# Altium PCB Main PCB.PcbDoc (part 1 of 3)
Units mil, origin at the board's own origin, x right, y up, seen from the top; angles counter-clockwise.
Board outline 3410.47 x 1250.53 mil, 4 copper layers (Top Layer, Ground, Power, Bottom Layer), stack 29.8 mil thick; 179 components, 158 nets, 771 pads, 445 vias.
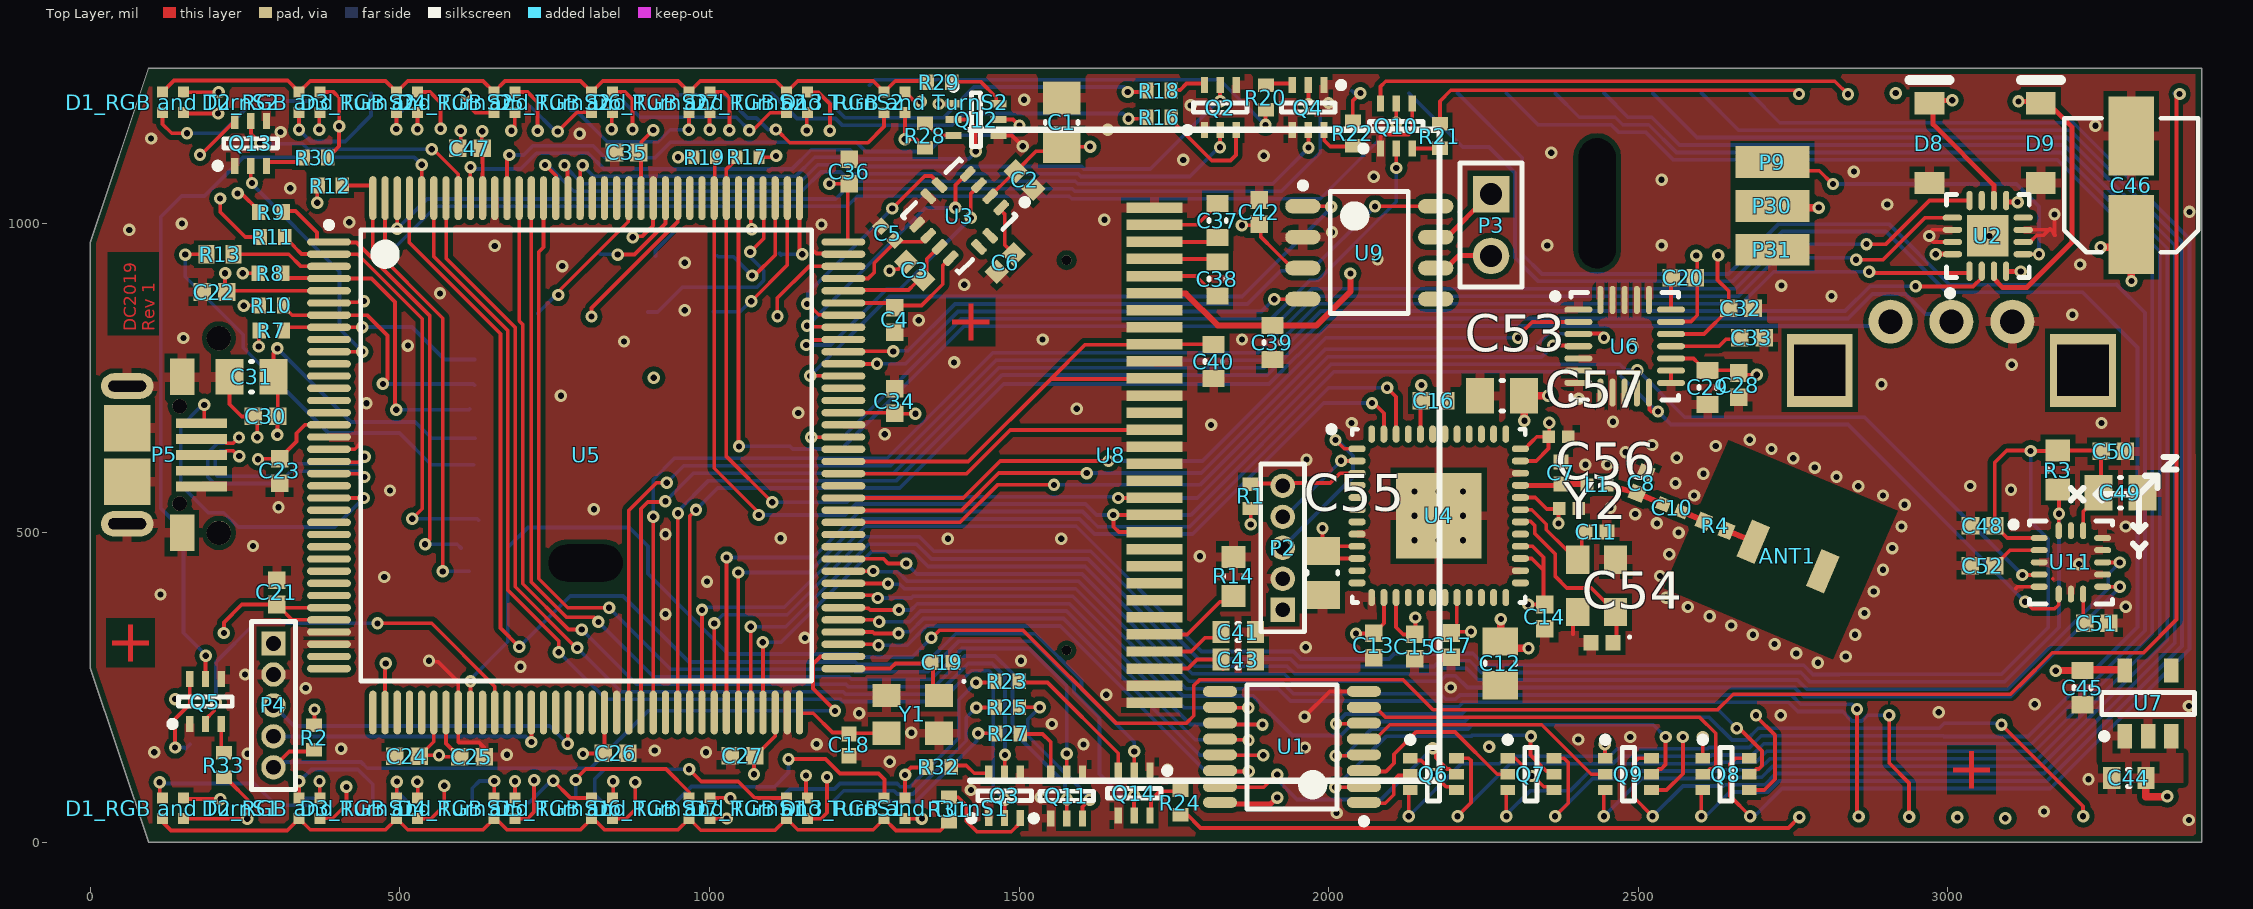
[diagram p0: Top Layer view]
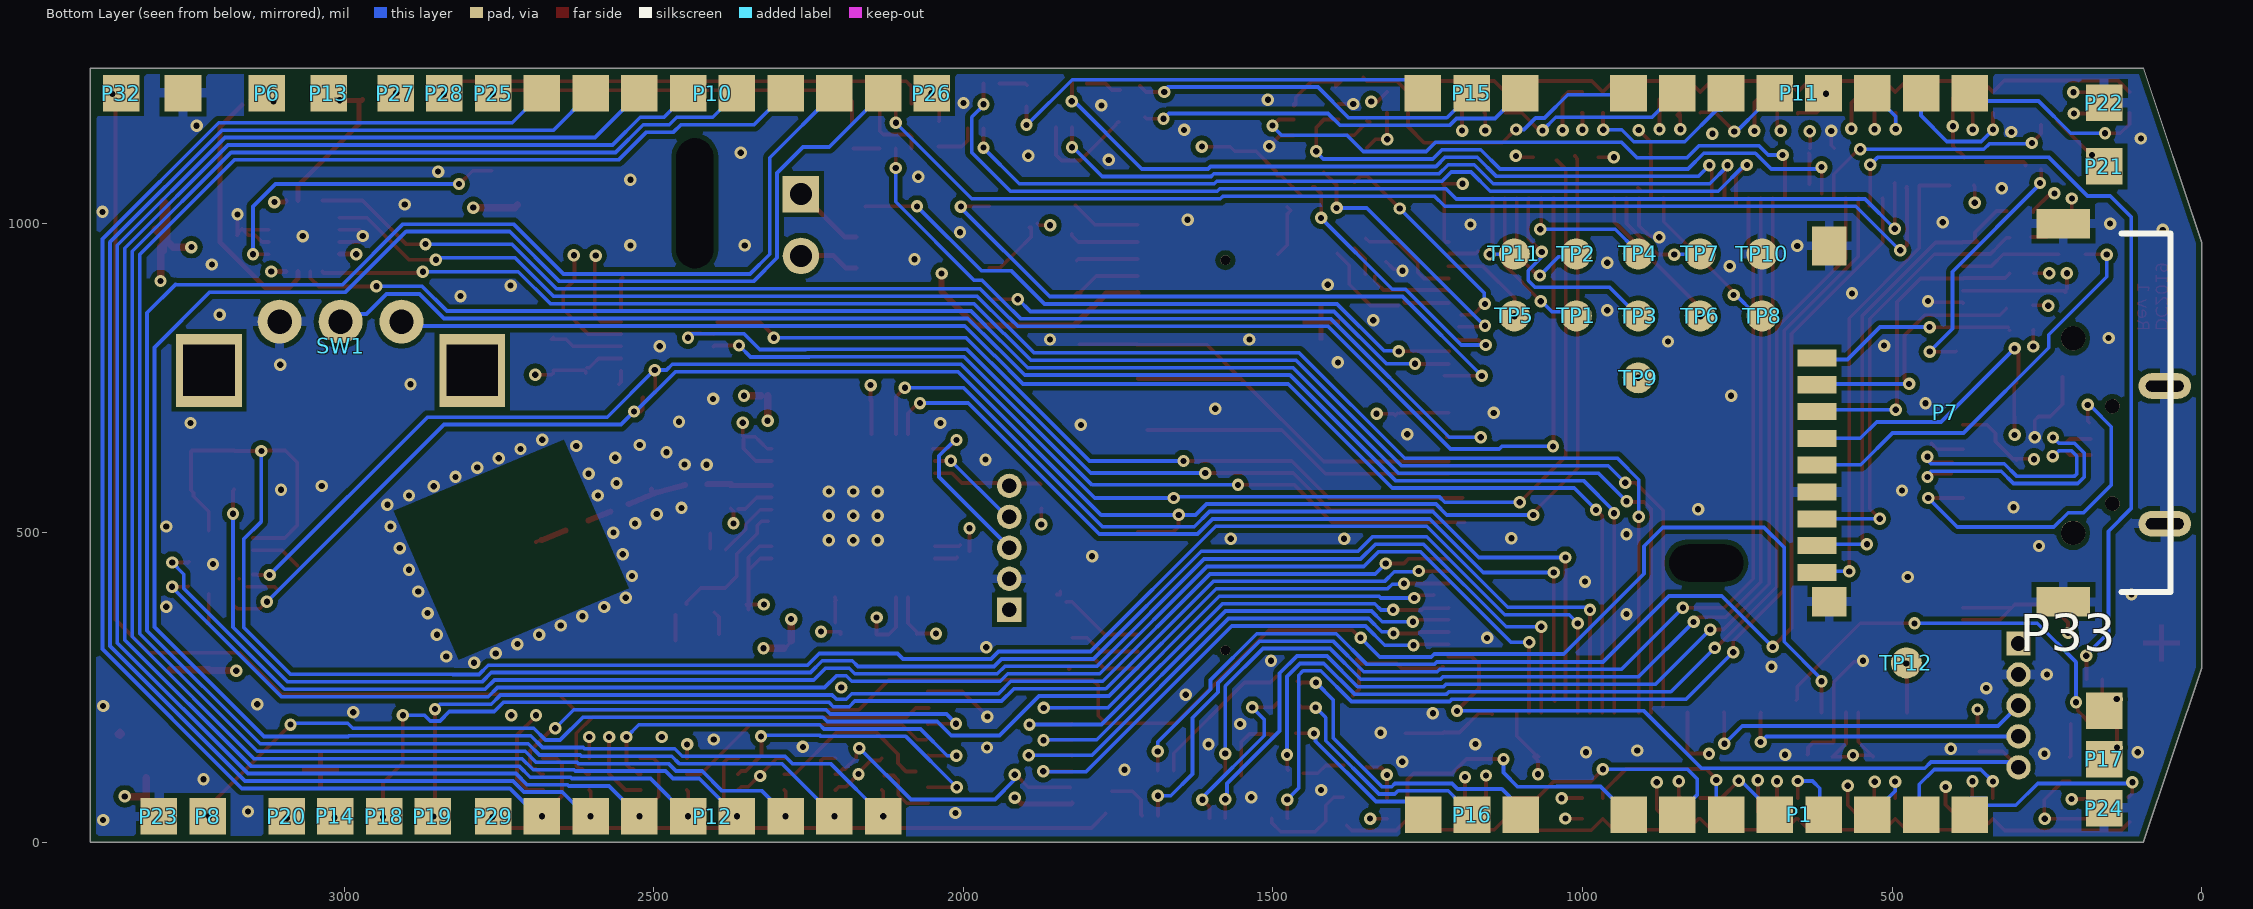
[diagram p1: Bottom Layer view, seen from below]
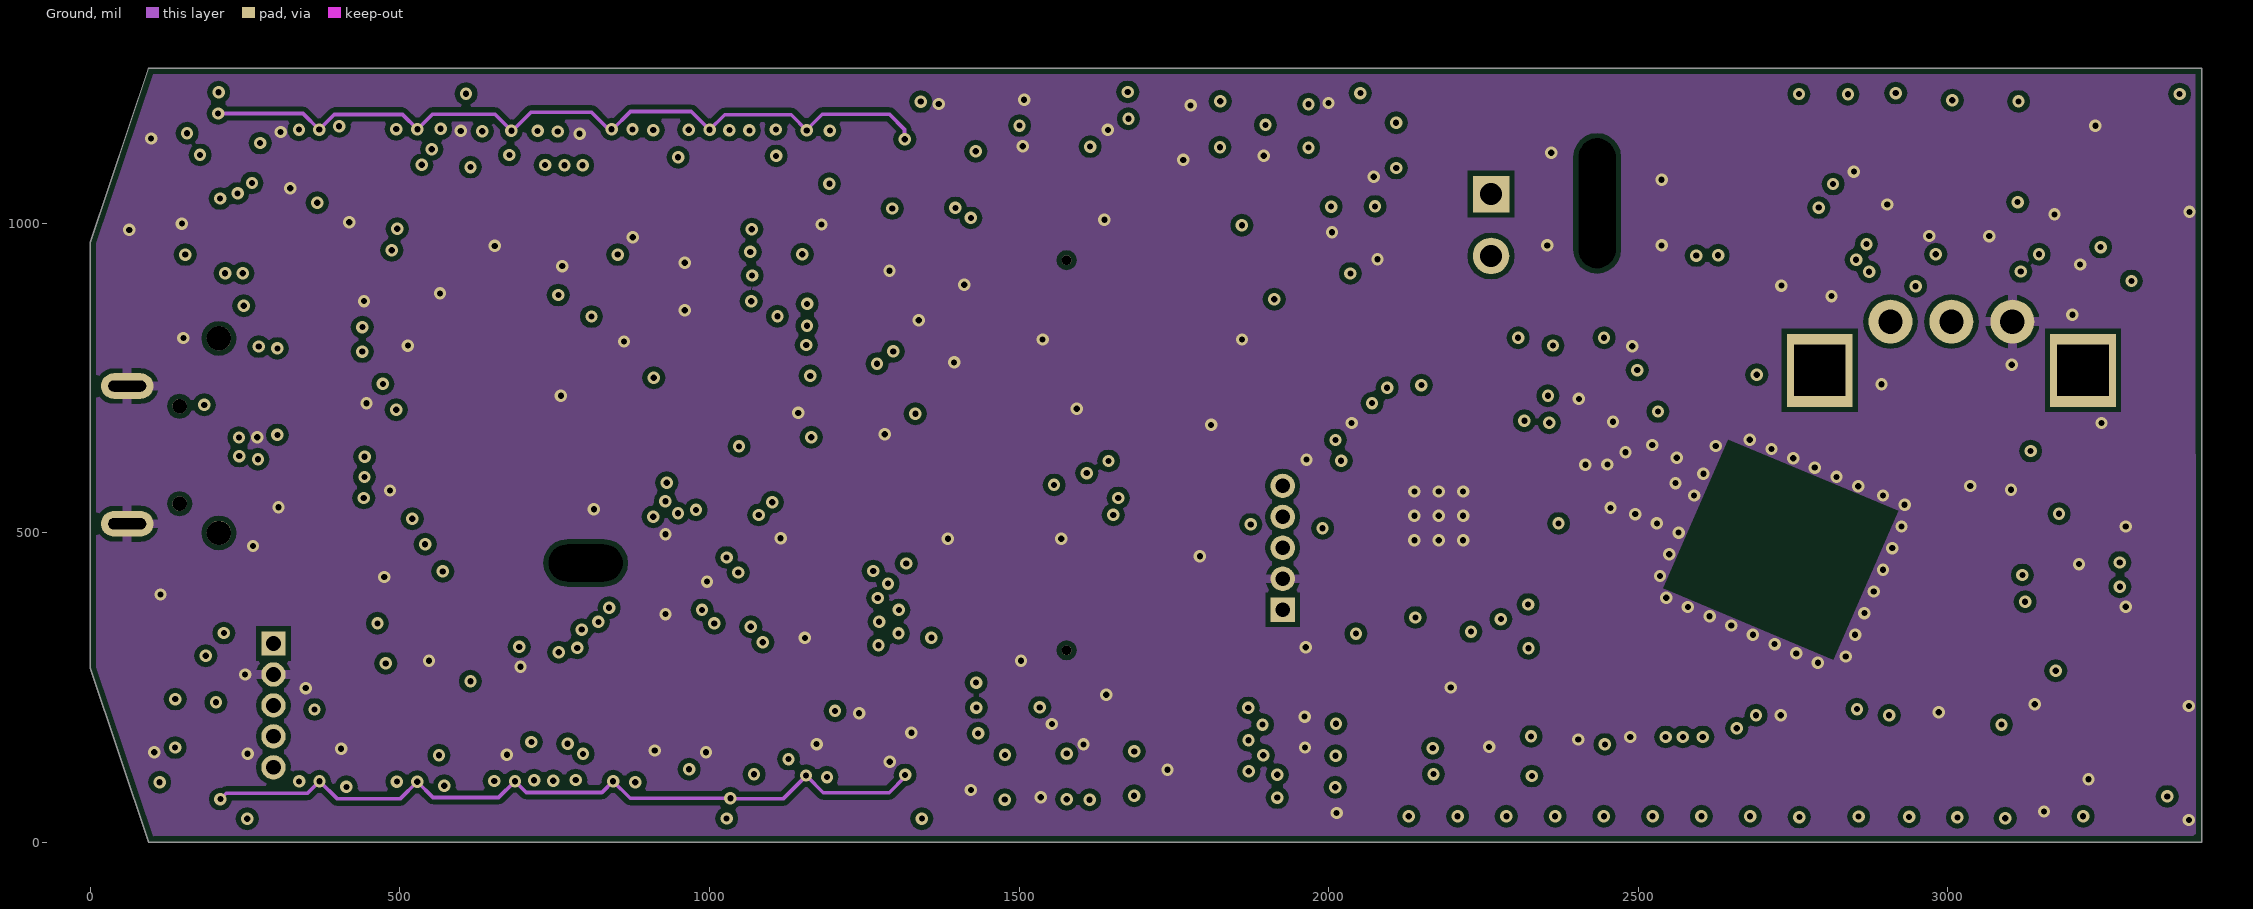
[diagram p2: Ground]
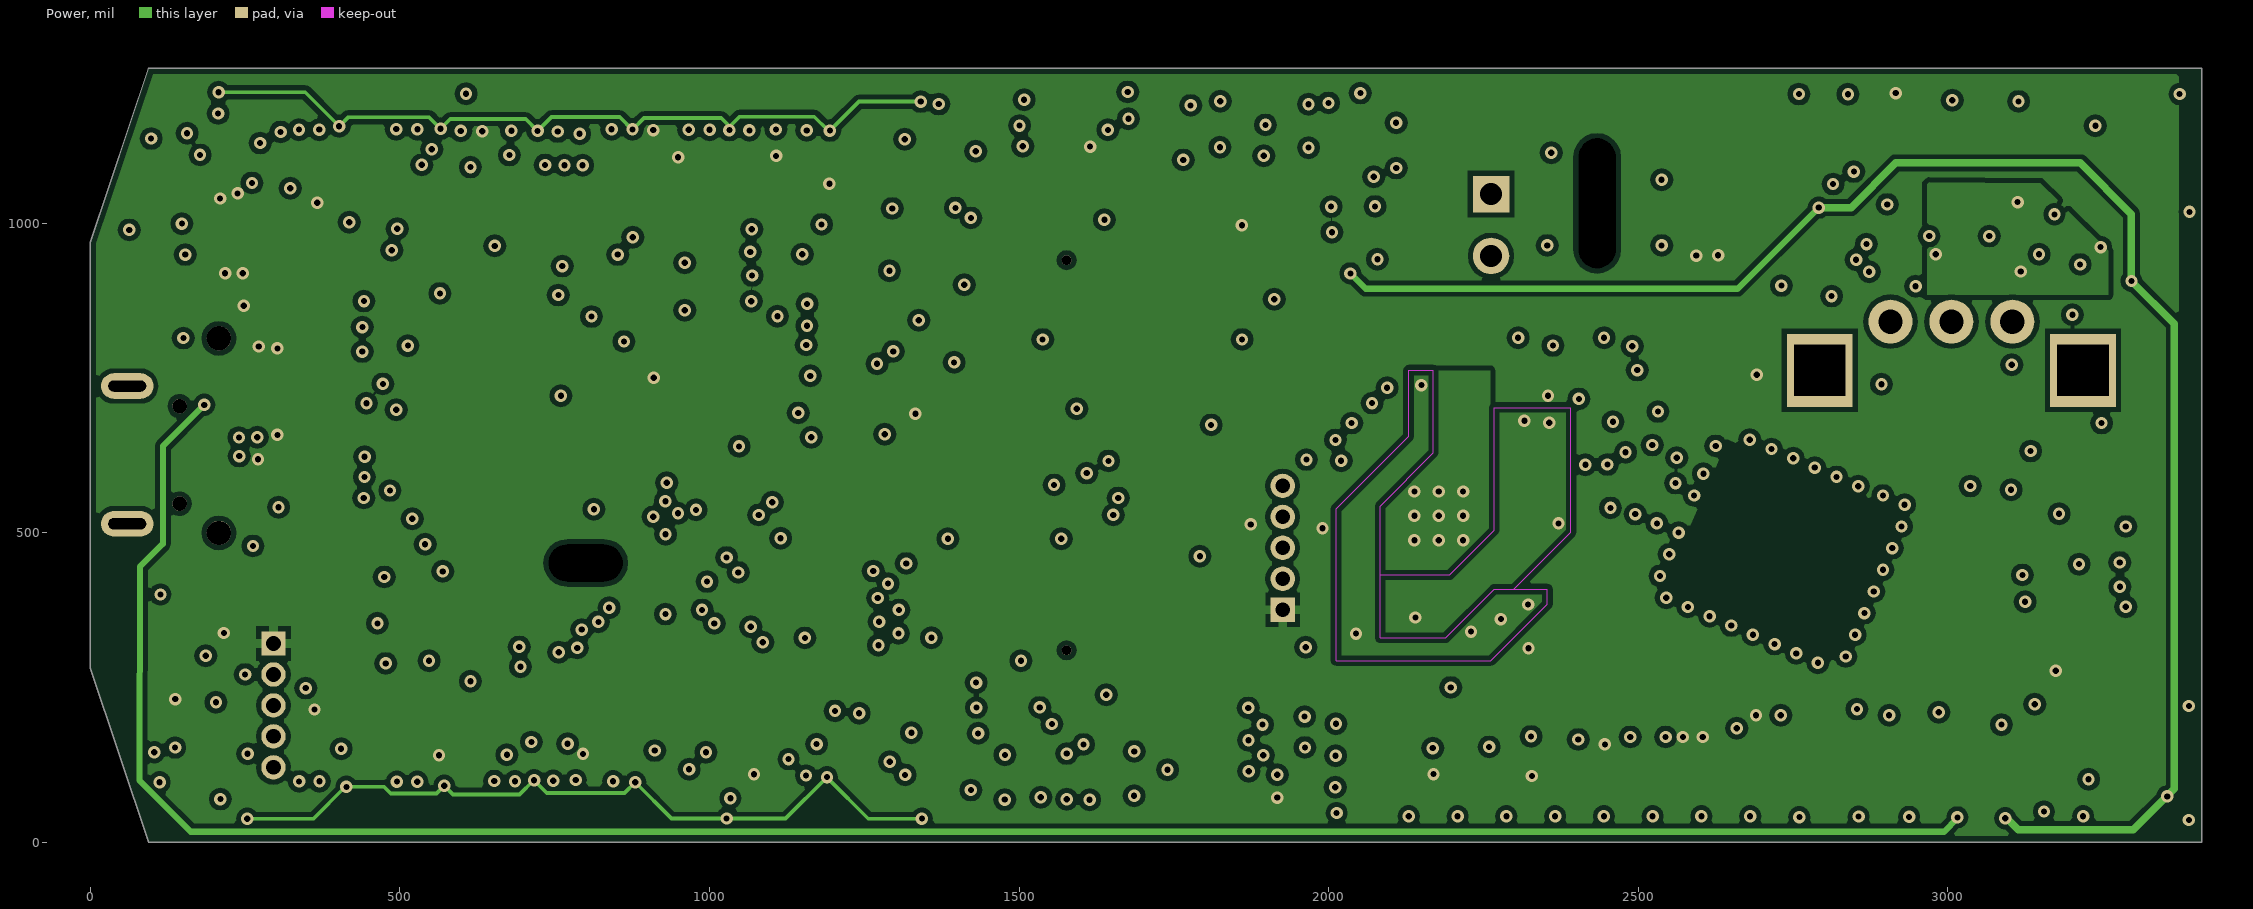
[diagram p3: Power]

## Layer stack, top to bottom
Top Solder: solder mask 0.4, Solder Resist, Dk 3.5
Top Layer: signal copper 1.4
Dielectric 2: prepreg 5.6, PP-006, Dk 4.1
Ground: signal copper 1.4
Dielectric 1: dielectric 13, FR-4, Dk 4.8
Power: signal copper 1.4
Dielectric 3: prepreg 5.6, PP-006, Dk 4.1
Bottom Layer: signal copper 1.4
Bottom Solder: solder mask 0.4, Solder Resist, Dk 3.5

## Board outline
-0.33,281.27 -0.34,968.63 94,1250.08 3409.86,1250.26 3410.13,-0.01 94.25,-0.27

## Design rules (kind name [scope] priority, off if disabled: settings)
BoardOutlineClearance [All] p1: gap=10 ignorepadtopadclearanceinfootprint=FALSE
Clearance [All] p1: gap=6 ignorepadtopadclearanceinfootprint=FALSE except(8: Arc-Fill Arc-Poly Track-Fill Track-Poly SMDPad-Fill SMDPad-Poly THPad-Fill THPad-Poly Via-Fill Via-Poly Fill-Fill Fill-Poly Poly-Poly)
ComponentClearance [All] p1 off: gap=10 collisioncheckmode=3 verticalgap=10 showdistances=FALSE
DiffPairsRouting [All] p1: maxlimit=10 minlimit=6 mostfreqgap=6 toplayer_minwidth=6 toplayer_maxwidth=15 toplayer_prefwidth=8 midlayer1_minwidth=6 midlayer1_maxwidth=15 midlayer1_prefwidth=8 midlayer2_minwidth=6 midlayer2_maxwidth=15 midlayer2_prefwidth=8 bottomlayer_minwidth=6 bottomlayer_maxwidth=15 bottomlayer_prefwidth=8 maxuncoupledlength=500
HoleSize [All] p1: absolutevalues=TRUE maxlimit=250 minlimit=7.87 maxpercent=80.000 minpercent=20.000
HoleToHoleClearance [All] p1: gap=18 allowstackedmicrovias=TRUE
MinimumAnnularRing [All] p1: minimumring=5
MinimumSolderMaskSliver [All] p1 off: minsoldermaskwidth=6
PlaneClearance [All] p1: clearance=12
PlaneConnect PlaneConnect_IsVia [IsVia] p1: planeconnectstyle=Direct reliefexpansion=20 reliefentries=4 reliefconductorwidth=10 reliefairgap=10
PlaneConnect [All] p2: planeconnectstyle=Relief reliefexpansion=20 reliefentries=4 reliefconductorwidth=15 reliefairgap=12
PolygonConnect PolygonConnect_IsVia [IsVia] p1: connectstyle=Direct reliefconductorwidth=10 reliefentries=4 polygonreliefangle="45 Angle" airgapwidth=10
PolygonConnect [All] p2: connectstyle=Relief reliefconductorwidth=15 reliefentries=4 polygonreliefangle="90 Angle" airgapwidth=8
RoutingVias [All] p1: holewidth=10 width=20 viastyle="Through Hole" minholewidth=10 minwidth=20 maxholewidth=28 maxwidth=50
SilkToSilkClearance [All] p1 off: silktosilkclearance=6
SilkToSolderMaskClearance [IsPad] p1 off: minsilkscreentomaskgap=6 clearancetoexposedcopper=TRUE
SolderMaskExpansion [Not IsVia] p1: expansion=4
Width [All] p1: maxlimit=50 minlimit=4 preferedwidth=6
21 further rules are at their usual default settings.

## Classes and differential pairs
component class U_6_Axis: C48 C49 C50 C51 C52 R3 U11
component class Main: R17 R19
component class "RGB and TurnS2": "D1_RGB and TurnS2" "D2_RGB and TurnS2" "D3_RGB and TurnS2" "D4_RGB and TurnS2" "D5_RGB and TurnS2" "D6_RGB and TurnS2" "D7_RGB and TurnS2" "D13_RGB and TurnS2"
component class "RGB and TurnS1": "D1_RGB and TurnS1" "D2_RGB and TurnS1" "D3_RGB and TurnS1" "D4_RGB and TurnS1" "D5_RGB and TurnS1" "D6_RGB and TurnS1" "D7_RGB and TurnS1" "D13_RGB and TurnS1"
channel class "RGB and TurnS": "RGB and TurnS 1" "RGB and TurnS 2"
component class "U_Main Board RGB": P17 P21 P22 P24 P33 Q3 Q5 Q12 Q13 R28 R29 R30 R31 R32 R33
component class "U_Row Drivers": P15 P16 P25 P26 P27 P28 P29 Q2 Q4 Q10 Q11 Q14 R16 R18 R20 R21 R22 R23 R24 R25 R27
component class "U_Switch and Encoder": P8 P18 P19 SW1
component class U_Power: C44 C45 P20 P23 U7
component class U_MK64: C18 C19 P4 P32 R2 TP1 TP2 TP3 TP4 TP5 TP6 TP7 TP8 TP9 TP10 TP11 U5 Y1
component class "U_20p Connector": P1 P10 P11 P12
component class U_OLED: C37 C38 C39 C40 C41 C43 R14 U8
component class U_SDCard: C30 C31 P7 R7 R8 R9 R10 R11 R12 R13
component class U_Bluetooth: ANT1 C7 C8 C10 C11 C12 C13 C14 C15 C16 C17 C53 C54 C55 C56 C57 L1 P2 R1 R4 U4 Y2
component class U_Accel: C1 C2 C3 C4 C5 C6 U3
component class "U_MK64 Power ADC": C20 C21 C22 C23 C24 C25 C26 C27 C34 C35 C36 C47 P5 P14 TP12
component class U_Gyro: C28 C29 C32 C33 U6
component class U_CAN: C42 P3 U9
component class U_MotorController: C46 D8 D9 P6 P9 P13 P30 P31 U2
component class 595andMun: Q6 Q7 Q8 Q9 U1
differential pair USB: +USB_P -USB_N
differential pair CAN1: +CAN1_P -CAN1_N

## Components (designator, comment, footprint, x,y, rotation, side; value= is the part's Value field where it differs from the comment)
ANT1 "RFANT3216120A5T" RFANT3216120A5T 2685.4,485.32 r337 top
C1 "CAP 4.7uF 16V 0805(2012)" CAPC0805(2012)155_M 1568.69,1162.49 r270 top value=4.7uF
C2 "CAP 100nF 6.3V 0402(1005)" CAPC0402(1005)60_M 1508.74,1069.5 r135 top value=100nF
C3 "CAP 3.3nF 6.3V 0402(1005)" CAPC0402(1005)60_M 1331.35,923.42 r315 top value=3.3nF
C4 "CAP 3.3nF 6.3V 0402(1005)" CAPC0402(1005)60_M 1298.83,843.45 r90 top value=3.3nF
C5 "CAP 8.2nF 6.3V 0402(1005)" CAPC0402(1005)60_L 1288.16,983.46 r315 top value=8.2nF
C6 "CAP 100nF 6.3V 0402(1005)" CAPC0402(1005)60_M 1477.68,935.52 r45 top value=100nF
C7 "CAP 0.8pF 50V 0402(1005)" CAPC0402(1005)60_N 2374.94,596.4 r270 top value=0.8pF
C8 "CAP 0.8pF 50V 0402(1005)" CAPC0402(1005)60_N 2505,580 r248 top value=0.8pF
C10 "CAP 10pF 50V 0402(1005)" CAPC0402(1005)60_L 2555,540 r338 top value=10pF
C11 "CAP 33pF 50V 0402(1005)" CAPC0402(1005)60_N 2431.64,501.1 r0 top value=33pF
C12 "CAP 10uF 10V 0805(2012)" CAPC0805(2012)145_N 2276.9,289 r270 top value=10uF
C13 "CAP 100nF 6.3V 0402(1005)" CAPC0402(1005)60_M 2073,318 r90 top value=100nF
C14 "CAP 100nF 6.3V 0402(1005)" CAPC0402(1005)60_M 2348.9,364.3 r90 top value=100nF
C15 "CAP 100nF 6.3V 0402(1005)" CAPC0402(1005)60_M 2139,316 r90 top value=100nF
C16 "CAP 100nF 6.3V 0402(1005)" CAPC0402(1005)60_M 2169.38,713.15 r180 top value=100nF
C17 "CAP 100nF 6.3V 0402(1005)" CAPC0402(1005)60_M 2197.67,318.24 r90 top value=100nF
C18 "CAP 33pF 50V 0402(1005)" CAPC0402(1005)60_N 1225.47,157.34 r270 top value=33pF
C19 "CAP 33pF 50V 0402(1005)" CAPC0402(1005)60_N 1375.5,290.51 r0 top value=33pF
C20 "CAP 100nF 6.3V 0402(1005)" CAPC0402(1005)60_M 2572.5,911.8 r0 top value=100nF
C21 "CAP 100nF 6.3V 0402(1005)" CAPC0402(1005)60_M 301.47,403.66 r270 top value=100nF
C22 "CAP 100nF 6.3V 0402(1005)" CAPC0402(1005)60_M 200.61,888.58 r0 top value=100nF
C23 "CAP 100nF 6.3V 0402(1005)" CAPC0402(1005)60_M 305.71,599.65 r90 top value=100nF
C24 "CAP 100nF 6.3V 0402(1005)" CAPC0402(1005)60_M 511.61,138.84 r0 top value=100nF
C25 "CAP 100nF 6.3V 0402(1005)" CAPC0402(1005)60_M 616.2,138.1 r180 top value=100nF
C26 "CAP 100nF 6.3V 0402(1005)" CAPC0402(1005)60_M 848.36,143.41 r180 top value=100nF
C27 "CAP 100nF 6.3V 0402(1005)" CAPC0402(1005)60_M 1053.44,139.78 r0 top value=100nF
C28 "CAP 100nF 6.3V 0402(1005)" CAPC0402(1005)60_M 2661.94,738.17 r90 top value=100nF
C29 "CAP 1uF 16V 0603(1608)" CAPC0603(1608)100_L 2611.97,734.53 r90 top value=1uF
C30 "CAP 100nF 6.3V 0402(1005)" CAPC0402(1005)60_M 283.09,687.64 r0 top value=100nF
C31 "CAP 10uF 10V 0805(2012)" CAPC0805(2012)100_N 260.41,751.5 r0 top value=10uF
C32 "CAP 100nF 6.3V 0402(1005)" CAPC0402(1005)60_M 2665.49,862.54 r180 top value=100nF
C33 "CAP 100nF 6.3V 0402(1005)" CAPC0402(1005)60_M 2683.44,814.88 r180 top value=100nF
C34 "CAP 100nF 6.3V 0402(1005)" CAPC0402(1005)60_M 1298.98,712.39 r270 top value=100nF
C35 "CAP 100nF 6.3V 0402(1005)" CAPC0402(1005)60_M 866.25,1113.94 r0 top value=100nF
C36 "CAP 100nF 6.3V 0402(1005)" CAPC0402(1005)60_M 1225.9,1082.96 r270 top value=100nF
C37 "CAP 1uF 16V 0603(1608)" CAPC0603(1608)100_L 1820.62,1003.98 r90 top value=1uF
C38 "CAP 1uF 16V 0603(1608)" CAPC0603(1608)100_L 1820.3,909.5 r90 top value=1uF
C39 "CAP 1uF 6.3V 0603(1608)" CAPC0603(1608)100_L 1909,807 r90 top value=1uF
C40 "CAP 1uF 6.3V 0603(1608)" CAPC0603(1608)100_L 1814.19,776.32 r90 top value=1uF
C41 "CAP 2.2uF 16V 0603(1608)" CAPC0603(1608)55_L 1853.82,339.43 r180 top value=2.2uF
C42 "CAP 100nF 6.3V 0402(1005)" CAPC0402(1005)60_M 1887.84,1017.47 r270 top value=100nF
C43 "CAP 2.2uF 16V 0603(1608)" CAPC0603(1608)55_L 1853.82,295.06 r180 top value=2.2uF
C44 "CAP 1uF 6.3V 0603(1608)" CAPC0603(1608)100_L 3292,104 r0 top value=1uF